# KiCad board ClockFOUR.kicad_pcb
title: ClockFOUR; company: WyoLum; note: www.wyolum.com; note: David Pincus
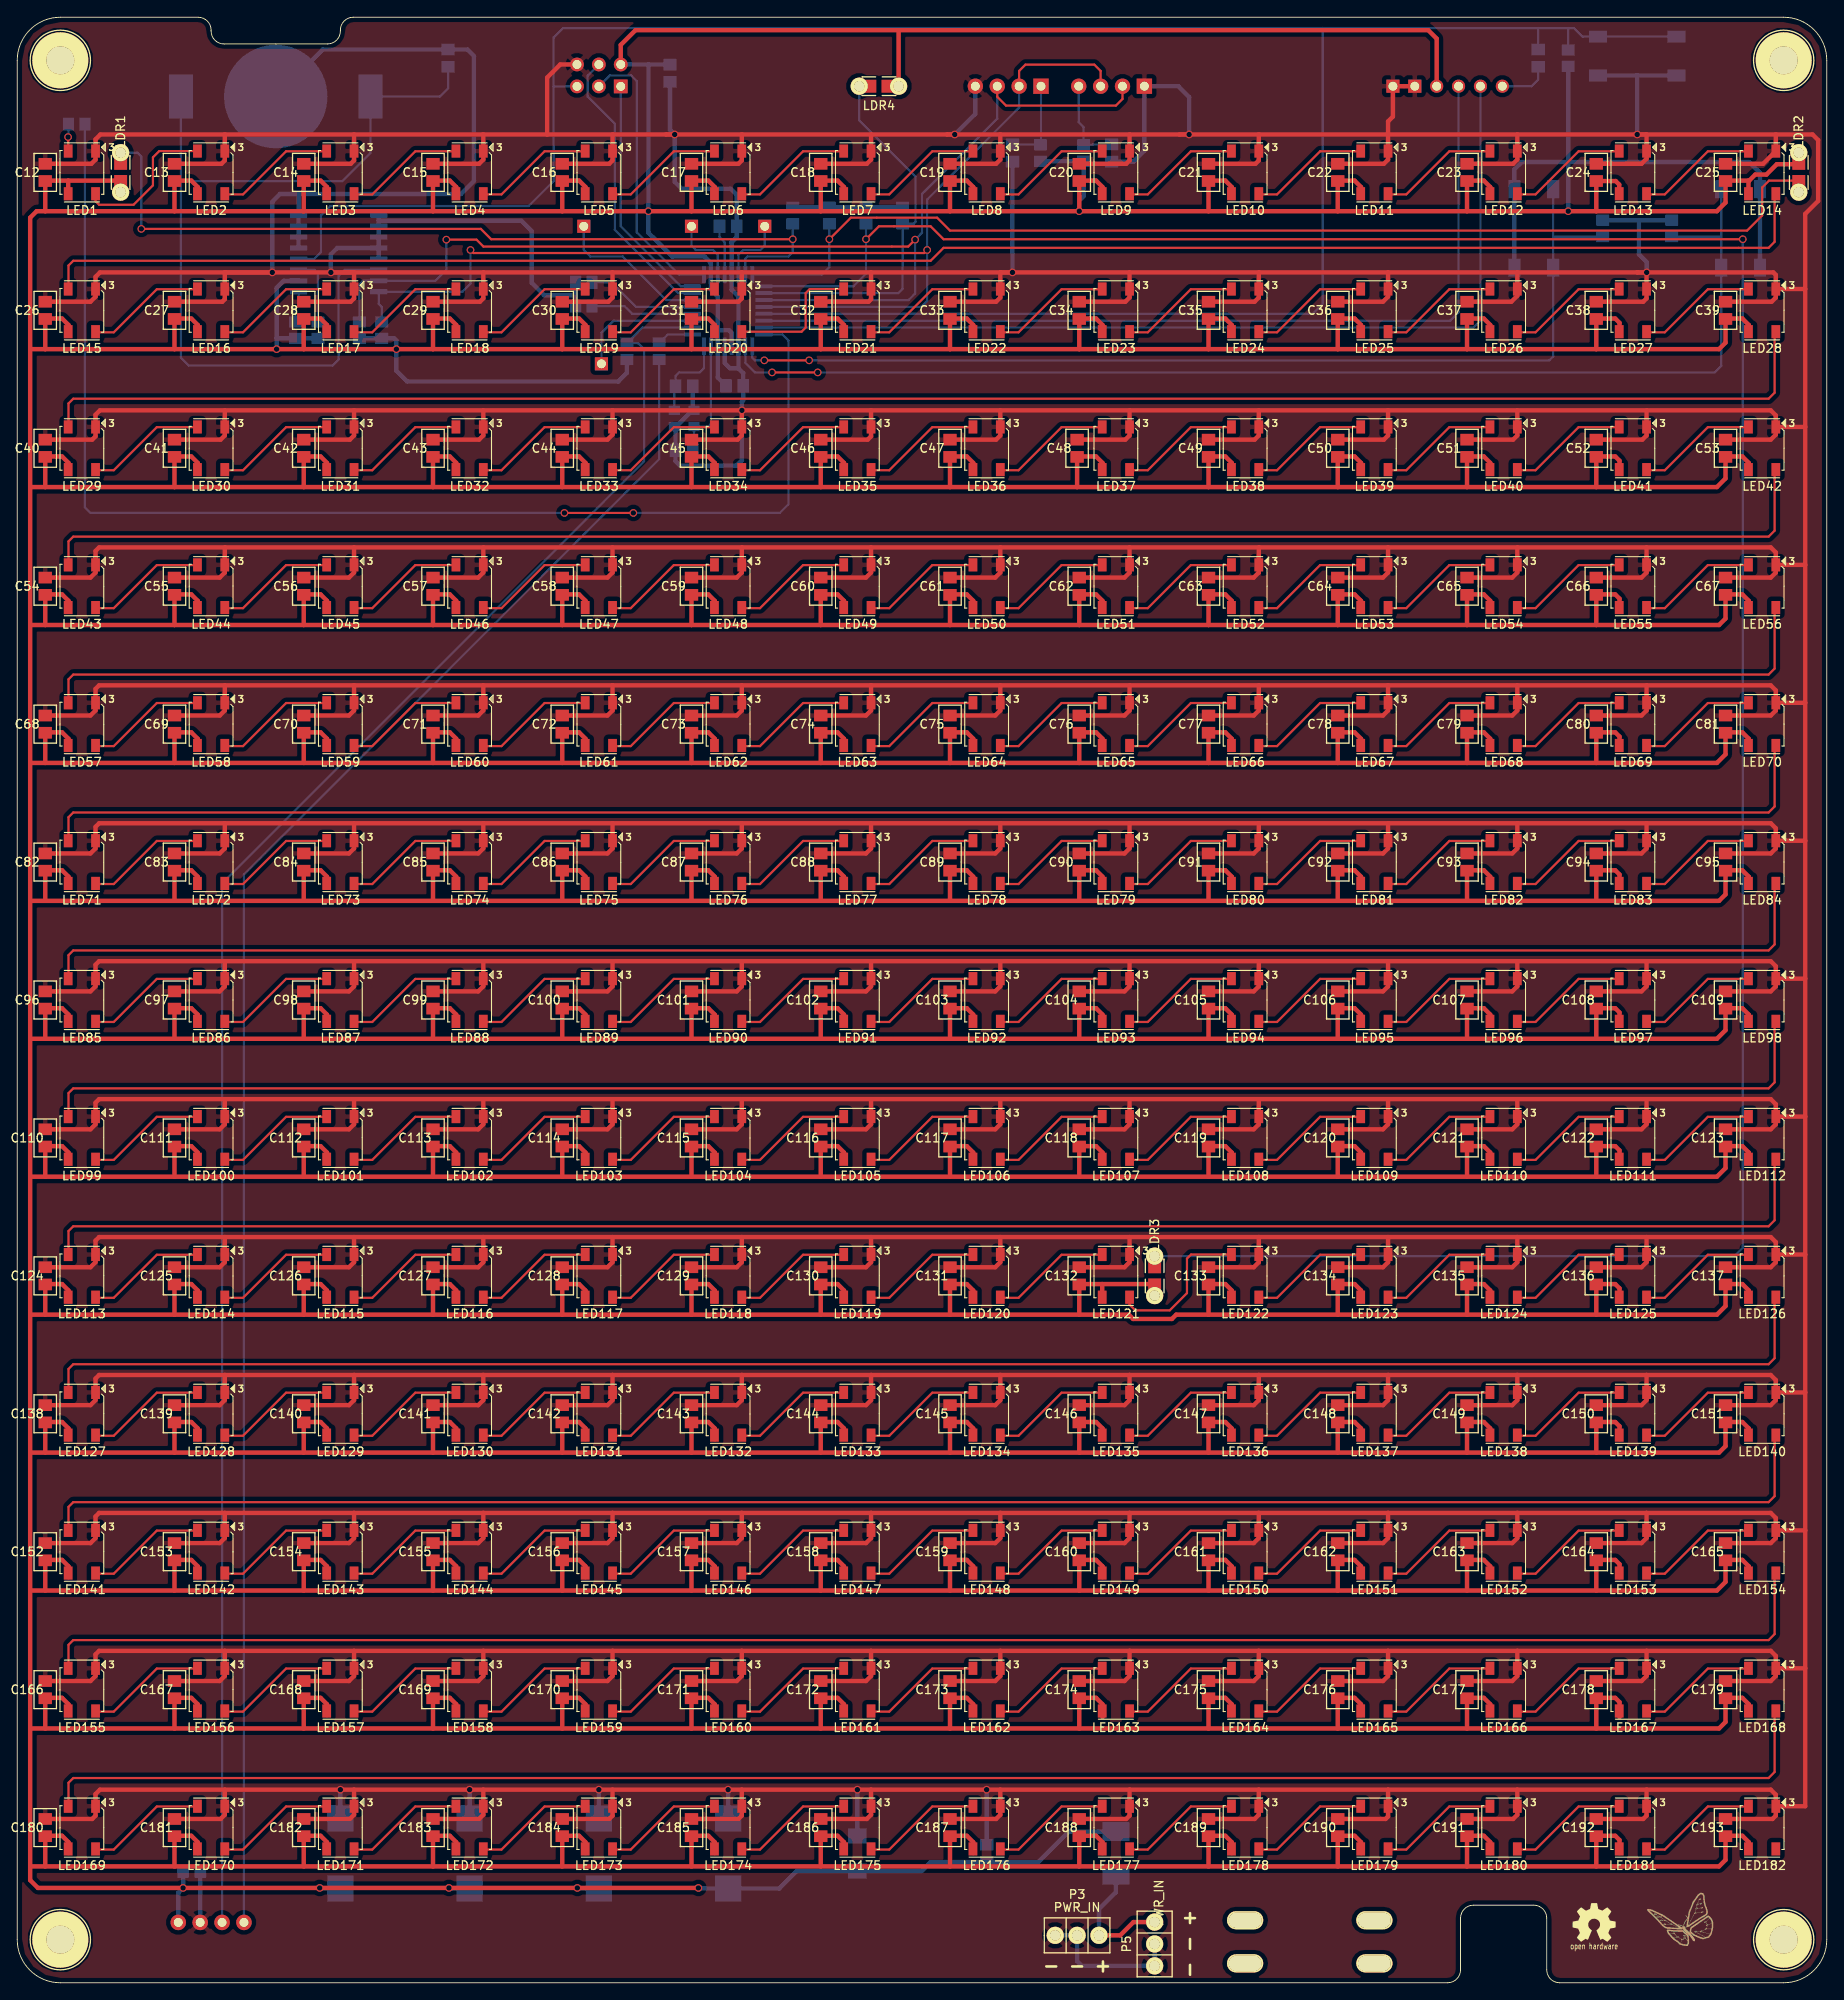
[diagram p0: board, top side]
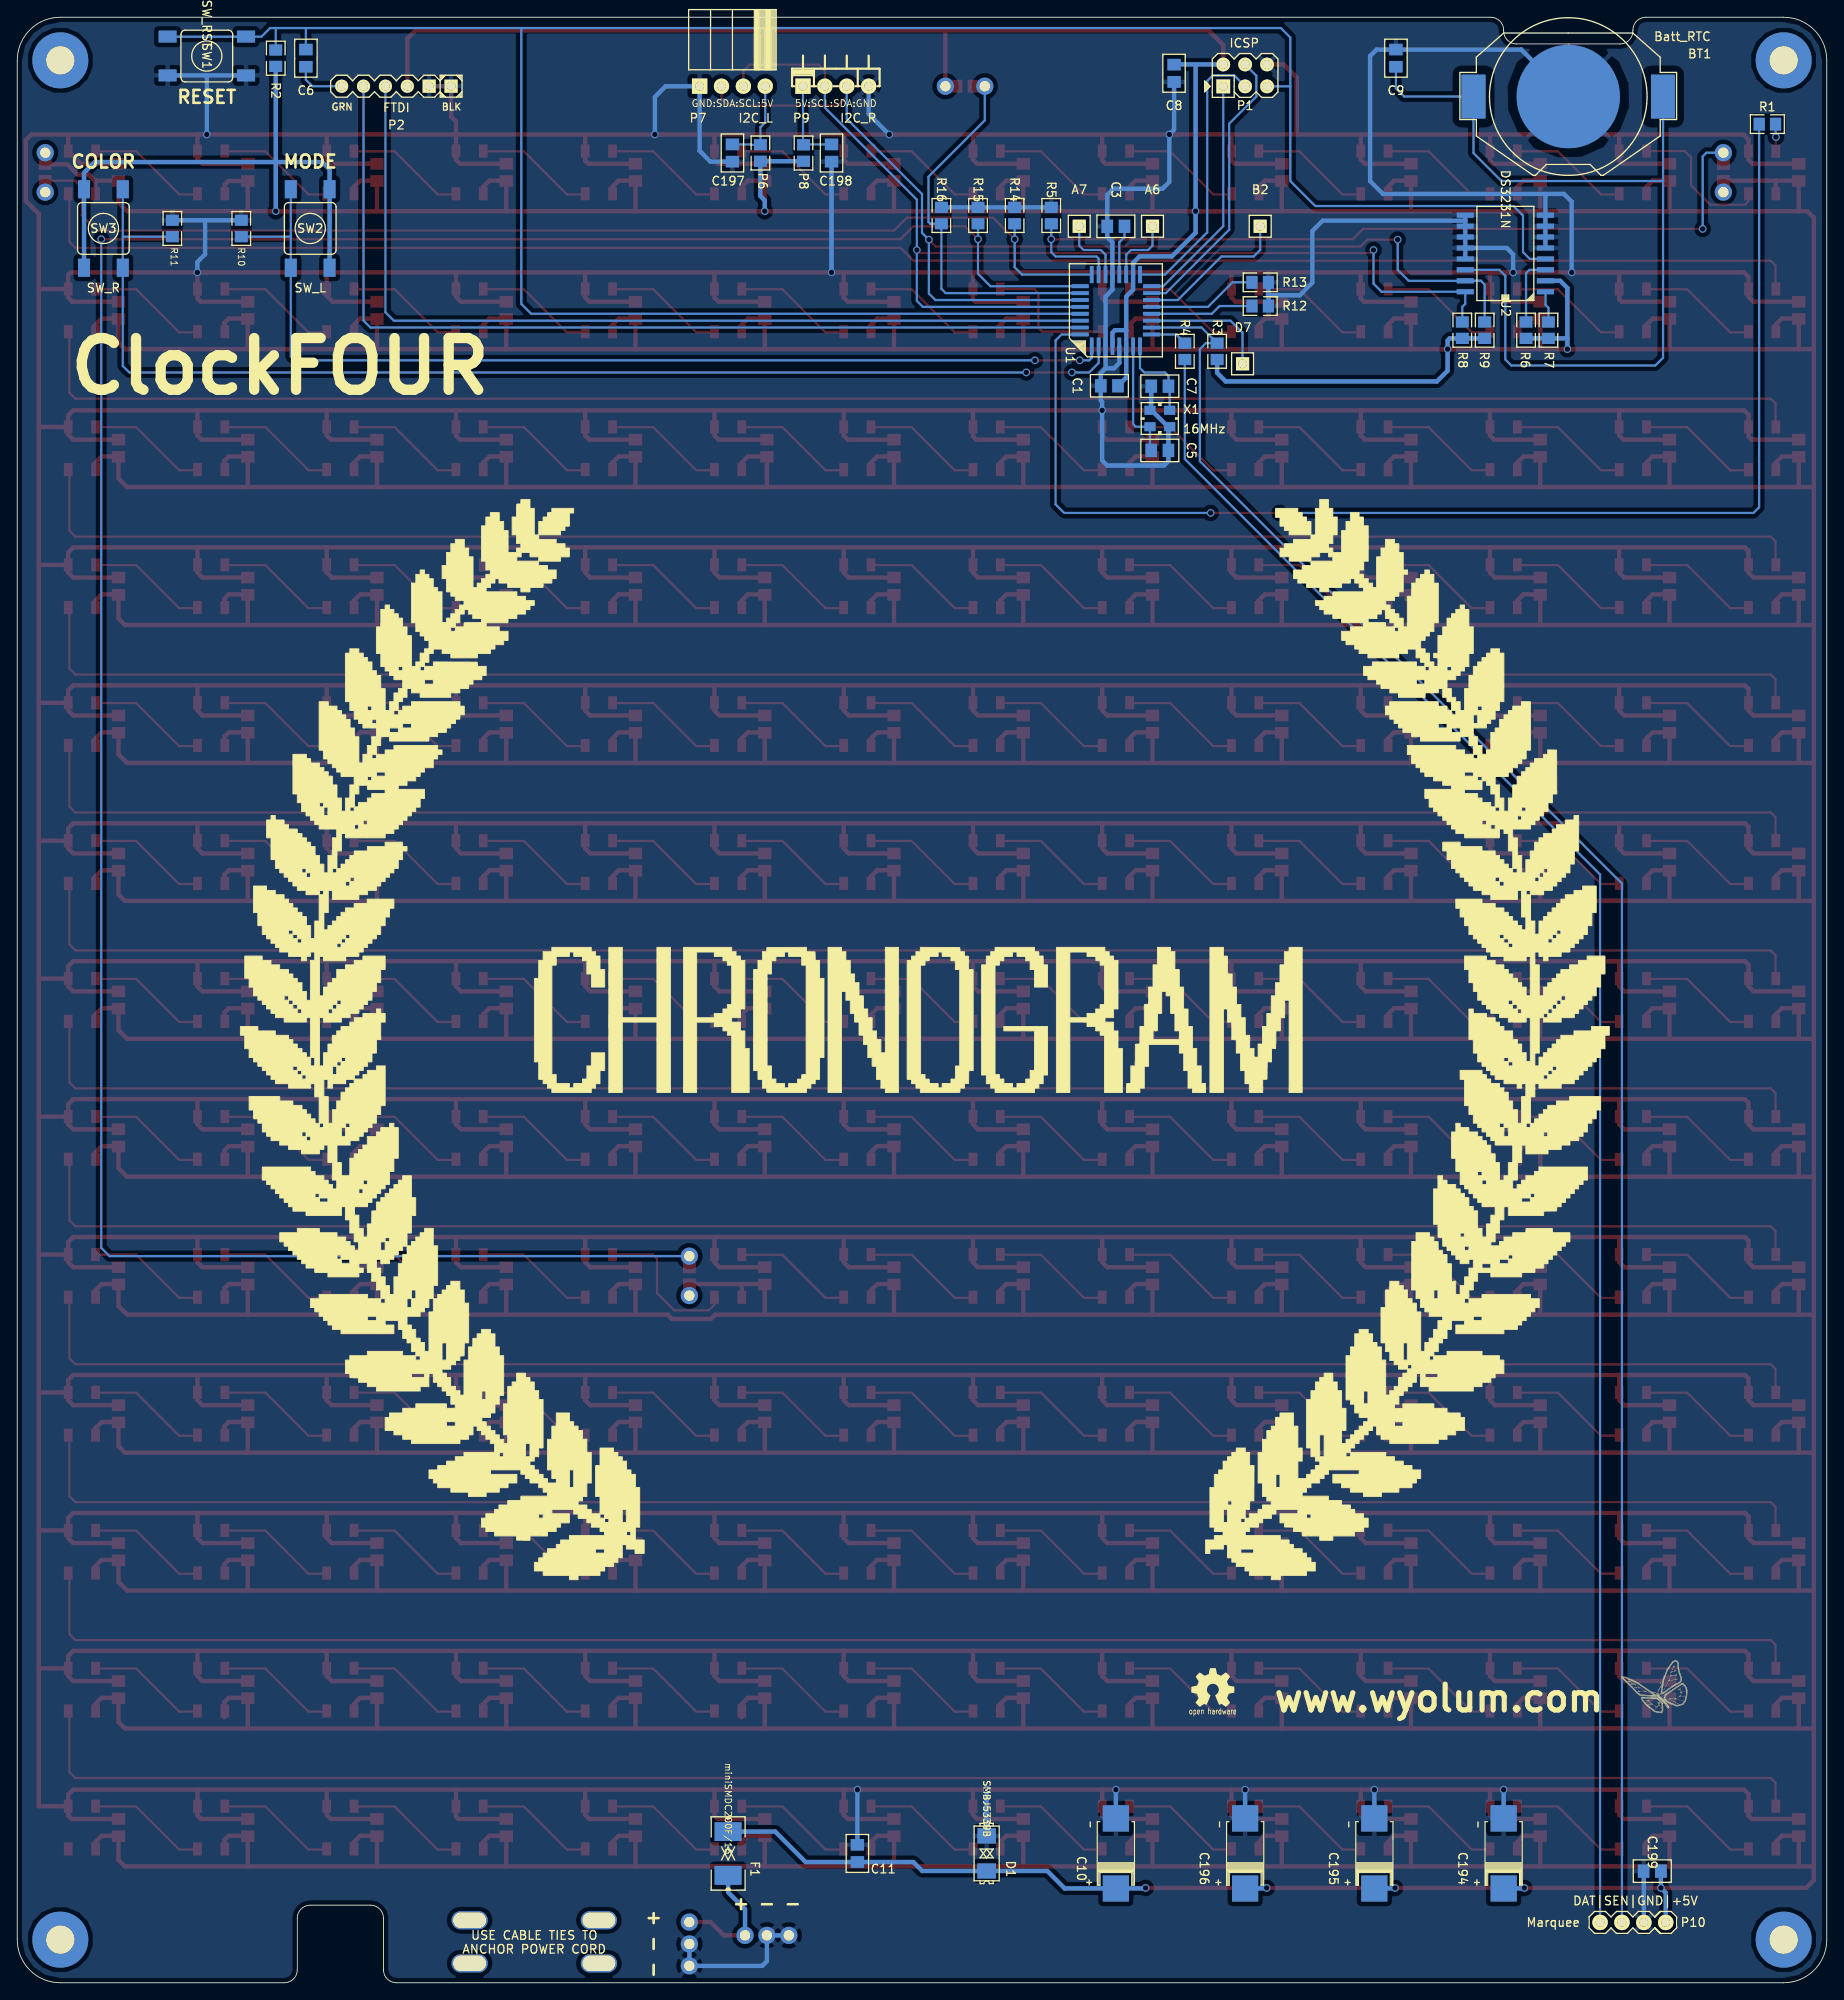
[diagram p1: board, bottom side, seen from below]

Outline 210 x 228 mm; copper layers: Top, Bottom. Coordinates in mm from the lower left corner of the outline.
Outline path: 0,223 arc(1.46,226.54) 5,228 21,228 arc(22.06,227.56) 22.5,226.5 22.5,226.4 arc(22.94,225.34) 24,224.9 36,224.9 arc(37.06,225.34) 37.5,226.4 37.5,226.5 arc(37.94,227.56) 39,228 205,228 arc(208.54,226.54) 210,223 210,5 arc(208.54,1.46) 205,0 179,0 arc(177.94,0.44) 177.5,1.5 177.5,7.5 arc(177.06,8.56) 176,9 169,9 arc(167.94,8.56) 167.5,7.5 167.5,1.5 arc(167.06,0.44) 166,0 5,0 arc(1.46,1.46) 0,5 0,223

## Placement (name value [footprint] x y rotation side)
A6  CONN_1  [BreakOutPad]  78.25 203.75 0 bottom
A7  CONN_1  [BreakOutPad]  86.75 203.75 0 bottom
B2  CONN_1  [BreakOutPad]  65.75 203.75 0 bottom
BT1  Batt_RTC  [CR2032_SMD2]  30 218.8 0 bottom
C1  100n  [c_0805]  83.25 185.25 270 bottom
C3  100n  [c_0805]  82.5 203.75 270 bottom
C5  22p  [c_0805]  77.4 177.75 90 bottom
C6  100n  [c_0805]  176.5 223.25 180 bottom
C7  22p  [c_0805]  77.4 185.2 90 bottom
C8  100n  [c_0805]  75.75 221.5 0 bottom
C9  100n  [c_0805]  50 223.25 0 bottom
C10  47u  [c_2917]  82.5 15 270 bottom
C11  100n  [c_0805]  112.5 15 0 bottom
C12  100n  [c_0805_led]  3.25 210 0 top
C13  100n  [c_0805_led]  18.25 210 0 top
C14  100n  [c_0805_led]  33.25 210 0 top
C15  100n  [c_0805_led]  48.25 210 0 top
C16  100n  [c_0805_led]  63.25 210 0 top
C17  100n  [c_0805_led]  78.25 210 0 top
C18  100n  [c_0805_led]  93.25 210 0 top
C19  100n  [c_0805_led]  108.25 210 0 top
C20  100n  [c_0805_led]  123.25 210 0 top
C21  100n  [c_0805_led]  138.25 210 0 top
C22  100n  [c_0805_led]  153.25 210 0 top
C23  100n  [c_0805_led]  168.25 210 0 top
C24  100n  [c_0805_led]  183.25 210 0 top
C25  100n  [c_0805_led]  198.25 210 0 top
C26  100n  [c_0805_led]  3.25 194 0 top
C27  100n  [c_0805_led]  18.25 194 0 top
C28  100n  [c_0805_led]  33.25 194 0 top
C29  100n  [c_0805_led]  48.25 194 0 top
C30  100n  [c_0805_led]  63.25 194 0 top
C31  100n  [c_0805_led]  78.25 194 0 top
C32  100n  [c_0805_led]  93.25 194 0 top
C33  100n  [c_0805_led]  108.25 194 0 top
C34  100n  [c_0805_led]  123.25 194 0 top
C35  100n  [c_0805_led]  138.25 194 0 top
C36  100n  [c_0805_led]  153.25 194 0 top
C37  100n  [c_0805_led]  168.25 194 0 top
C38  100n  [c_0805_led]  183.25 194 0 top
C39  100n  [c_0805_led]  198.25 194 0 top
C40  100n  [c_0805_led]  3.25 178 0 top
C41  100n  [c_0805_led]  18.25 178 0 top
C42  100n  [c_0805_led]  33.25 178 0 top
C43  100n  [c_0805_led]  48.25 178 0 top
C44  100n  [c_0805_led]  63.25 178 0 top
C45  100n  [c_0805_led]  78.25 178 0 top
C46  100n  [c_0805_led]  93.25 178 0 top
C47  100n  [c_0805_led]  108.25 178 0 top
C48  100n  [c_0805_led]  123 178 0 top
C49  100n  [c_0805_led]  138.25 178 0 top
C50  100n  [c_0805_led]  153.25 178 0 top
C51  100n  [c_0805_led]  168.25 178 0 top
C52  100n  [c_0805_led]  183.25 178 0 top
C53  100n  [c_0805_led]  198.25 178 0 top
C54  100n  [c_0805_led]  3.25 162 0 top
C55  100n  [c_0805_led]  18.25 162 0 top
C56  100n  [c_0805_led]  33.25 162 0 top
C57  100n  [c_0805_led]  48.25 162 0 top
C58  100n  [c_0805_led]  63.25 162 0 top
C59  100n  [c_0805_led]  78.25 162 0 top
C60  100n  [c_0805_led]  93.25 162 0 top
C61  100n  [c_0805_led]  108.25 162 0 top
C62  100n  [c_0805_led]  123.25 162 0 top
C63  100n  [c_0805_led]  138.25 162 0 top
C64  100n  [c_0805_led]  153.25 162 0 top
C65  100n  [c_0805_led]  168.25 162 0 top
C66  100n  [c_0805_led]  183.25 162 0 top
C67  100n  [c_0805_led]  198.25 162 0 top
C68  100n  [c_0805_led]  3.25 146 0 top
C69  100n  [c_0805_led]  18.25 146 0 top
C70  100n  [c_0805_led]  33.25 146 0 top
C71  100n  [c_0805_led]  48.25 146 0 top
C72  100n  [c_0805_led]  63.25 146 0 top
C73  100n  [c_0805_led]  78.25 146 0 top
C74  100n  [c_0805_led]  93.25 146 0 top
C75  100n  [c_0805_led]  108.25 146 0 top
C76  100n  [c_0805_led]  123.25 146 0 top
C77  100n  [c_0805_led]  138.25 146 0 top
C78  100n  [c_0805_led]  153.25 146 0 top
C79  100n  [c_0805_led]  168.25 146 0 top
C80  100n  [c_0805_led]  183.25 146 0 top
C81  100n  [c_0805_led]  198.25 146 0 top
C82  100n  [c_0805_led]  3.25 130 0 top
C83  100n  [c_0805_led]  18.25 130 0 top
C84  100n  [c_0805_led]  33.25 130 0 top
C85  100n  [c_0805_led]  48.25 130 0 top
C86  100n  [c_0805_led]  63.25 130 0 top
C87  100n  [c_0805_led]  78.25 130 0 top
C88  100n  [c_0805_led]  93.25 130 0 top
C89  100n  [c_0805_led]  108.25 130 0 top
C90  100n  [c_0805_led]  123.25 130 0 top
C91  100n  [c_0805_led]  138.25 130 0 top
C92  100n  [c_0805_led]  153.25 130 0 top
C93  100n  [c_0805_led]  168.25 130 0 top
C94  100n  [c_0805_led]  183.25 130 0 top
C95  100n  [c_0805_led]  198.25 130 0 top
C96  100n  [c_0805_led]  3.25 114 0 top
C97  100n  [c_0805_led]  18.25 114 0 top
C98  100n  [c_0805_led]  33.25 114 0 top
C99  100n  [c_0805_led]  48.25 114 0 top
C100  100n  [c_0805_led]  63.25 114 0 top
C101  100n  [c_0805_led]  78.25 114 0 top
C102  100n  [c_0805_led]  93.25 114 0 top
C103  100n  [c_0805_led]  108.25 114 0 top
C104  100n  [c_0805_led]  123.25 114 0 top
C105  100n  [c_0805_led]  138.25 114 0 top
C106  100n  [c_0805_led]  153.25 114 0 top
C107  100n  [c_0805_led]  168.25 114 0 top
C108  100n  [c_0805_led]  183.25 114 0 top
C109  100n  [c_0805_led]  198.25 114 0 top
C110  100n  [c_0805_led]  3.25 98 0 top
C111  100n  [c_0805_led]  18.25 98 0 top
C112  100n  [c_0805_led]  33.25 98 0 top
C113  100n  [c_0805_led]  48.25 98 0 top
C114  100n  [c_0805_led]  63.25 98 0 top
C115  100n  [c_0805_led]  78.25 98 0 top
C116  100n  [c_0805_led]  93.25 98 0 top
C117  100n  [c_0805_led]  108.25 98 0 top
C118  100n  [c_0805_led]  123.25 98 0 top
C119  100n  [c_0805_led]  138.25 98 0 top
C120  100n  [c_0805_led]  153.25 98 0 top
C121  100n  [c_0805_led]  168.25 98 0 top
C122  100n  [c_0805_led]  183.25 98 0 top
C123  100n  [c_0805_led]  198.25 98 0 top
C124  100n  [c_0805_led]  3.25 82 0 top
C125  100n  [c_0805_led]  18.25 82 0 top
C126  100n  [c_0805_led]  33.25 82 0 top
C127  100n  [c_0805_led]  48.25 82 0 top
C128  100n  [c_0805_led]  63.25 82 0 top
C129  100n  [c_0805_led]  78.25 82 0 top
C130  100n  [c_0805_led]  93.25 82 0 top
C131  100n  [c_0805_led]  108.25 82 0 top
C132  100n  [c_0805_led]  123.25 82 0 top
C133  100n  [c_0805_led]  138.25 82 0 top
C134  100n  [c_0805_led]  153.25 82 0 top
C135  100n  [c_0805_led]  168.25 82 0 top
C136  100n  [c_0805_led]  183.25 82 0 top
C137  100n  [c_0805_led]  198.25 82 0 top
C138  100n  [c_0805_led]  3.25 66 0 top
C139  100n  [c_0805_led]  18.25 66 0 top
C140  100n  [c_0805_led]  33.25 66 0 top
C141  100n  [c_0805_led]  48.25 66 0 top
C142  100n  [c_0805_led]  63.25 66 0 top
C143  100n  [c_0805_led]  78.25 66 0 top
C144  100n  [c_0805_led]  93.25 66 0 top
C145  100n  [c_0805_led]  108.25 66 0 top
C146  100n  [c_0805_led]  123.25 66 0 top
C147  100n  [c_0805_led]  138.25 66 0 top
C148  100n  [c_0805_led]  153.25 66 0 top
C149  100n  [c_0805_led]  168.25 66 0 top
C150  100n  [c_0805_led]  183.25 66 0 top
C151  100n  [c_0805_led]  198.25 66 0 top
C152  100n  [c_0805_led]  3.25 50 0 top
C153  100n  [c_0805_led]  18.25 50 0 top
C154  100n  [c_0805_led]  33.25 50 0 top
C155  100n  [c_0805_led]  48.25 50 0 top
C156  100n  [c_0805_led]  63.25 50 0 top
C157  100n  [c_0805_led]  78.25 50 0 top
C158  100n  [c_0805_led]  93.25 50 0 top
C159  100n  [c_0805_led]  108.25 50 0 top
C160  100n  [c_0805_led]  123.25 50 0 top
C161  100n  [c_0805_led]  138.25 50 0 top
C162  100n  [c_0805_led]  153.25 50 0 top
C163  100n  [c_0805_led]  168.25 50 0 top
C164  100n  [c_0805_led]  183.25 50 0 top
C165  100n  [c_0805_led]  198.25 50 0 top
C166  100n  [c_0805_led]  3.25 34 0 top
C167  100n  [c_0805_led]  18.25 34 0 top
C168  100n  [c_0805_led]  33.25 34 0 top
C169  100n  [c_0805_led]  48.25 34 0 top
C170  100n  [c_0805_led]  63.25 34 0 top
C171  100n  [c_0805_led]  78.25 34 0 top
C172  100n  [c_0805_led]  93.25 34 0 top
C173  100n  [c_0805_led]  108.25 34 0 top
C174  100n  [c_0805_led]  123.25 34 0 top
C175  100n  [c_0805_led]  138.25 34 0 top
C176  100n  [c_0805_led]  153.25 34 0 top
C177  100n  [c_0805_led]  168.25 34 0 top
C178  100n  [c_0805_led]  183.25 34 0 top
C179  100n  [c_0805_led]  198.25 34 0 top
C180  100n  [c_0805_led]  3.25 18 0 top
C181  100n  [c_0805_led]  18.25 18 0 top
C182  100n  [c_0805_led]  33.25 18 0 top
C183  100n  [c_0805_led]  48.25 18 0 top
C184  100n  [c_0805_led]  63.25 18 0 top
C185  100n  [c_0805_led]  78.25 18 0 top
C186  100n  [c_0805_led]  93.25 18 0 top
C187  100n  [c_0805_led]  108.25 18 0 top
C188  100n  [c_0805_led]  123.25 18 0 top
C189  100n  [c_0805_led]  138.25 18 0 top
C190  100n  [c_0805_led]  153.25 18 0 top
C191  100n  [c_0805_led]  168.25 18 0 top
C192  100n  [c_0805_led]  183.25 18 0 top
C193  100n  [c_0805_led]  198.25 18 0 top
C194  47u  [c_2917]  37.5 15 270 bottom
C195  47u  [c_2917]  52.5 15 270 bottom
C196  47u  [c_2917]  67.5 15 270 bottom
C197  100n  [c_0805]  127 212.25 180 bottom
C198  100n  [c_0805]  115.5 212.25 180 bottom
C199  100n  [c_0805]  20.25 12.95 90 bottom
D1  SMBJ5339B  [diode-DO214AA]  97.5 15 270 bottom
D7  CONN_1  [BreakOutPad]  67.8 187.8 0 bottom
F1  miniSMDC200F/16  [f_1812]  127.5 15 270 bottom
L1  OSHW  [Logo_silk_OSHW_6x6mm]  183 7 0 top
L2  Wyolum  [Logo-WL3]  188 11 0 top
L3  Wyolum  [Logo-WL3]  25 38 180 bottom
L4  Chronogram  [Logo_silk_OSHW_6x6mm]  71.25 34.25 180 bottom
L5  Logo  [logo_CG]  104.9 108.34 180 bottom
LDR1  LDR  [r_0805_ldr]  12 210 270 top
LDR2  LDR  [r_0805_ldr]  206.75 210 90 top
LDR3  LDR  [r_0805_ldr]  132 82 270 top
LDR4  LDR  [r_0805_ldr]  100 220 0 top
LED1  WS2812B  [RGB_WS2811B]  7.5 210 0 top
LED2  WS2812B  [RGB_WS2811B]  22.5 210 0 top
LED3  WS2812B  [RGB_WS2811B]  37.5 210 0 top
LED4  WS2812B  [RGB_WS2811B]  52.5 210 0 top
LED5  WS2812B  [RGB_WS2811B]  67.5 210 0 top